# KiCad board rabbit_mask_capacitors_right.kicad_pcb (continued)
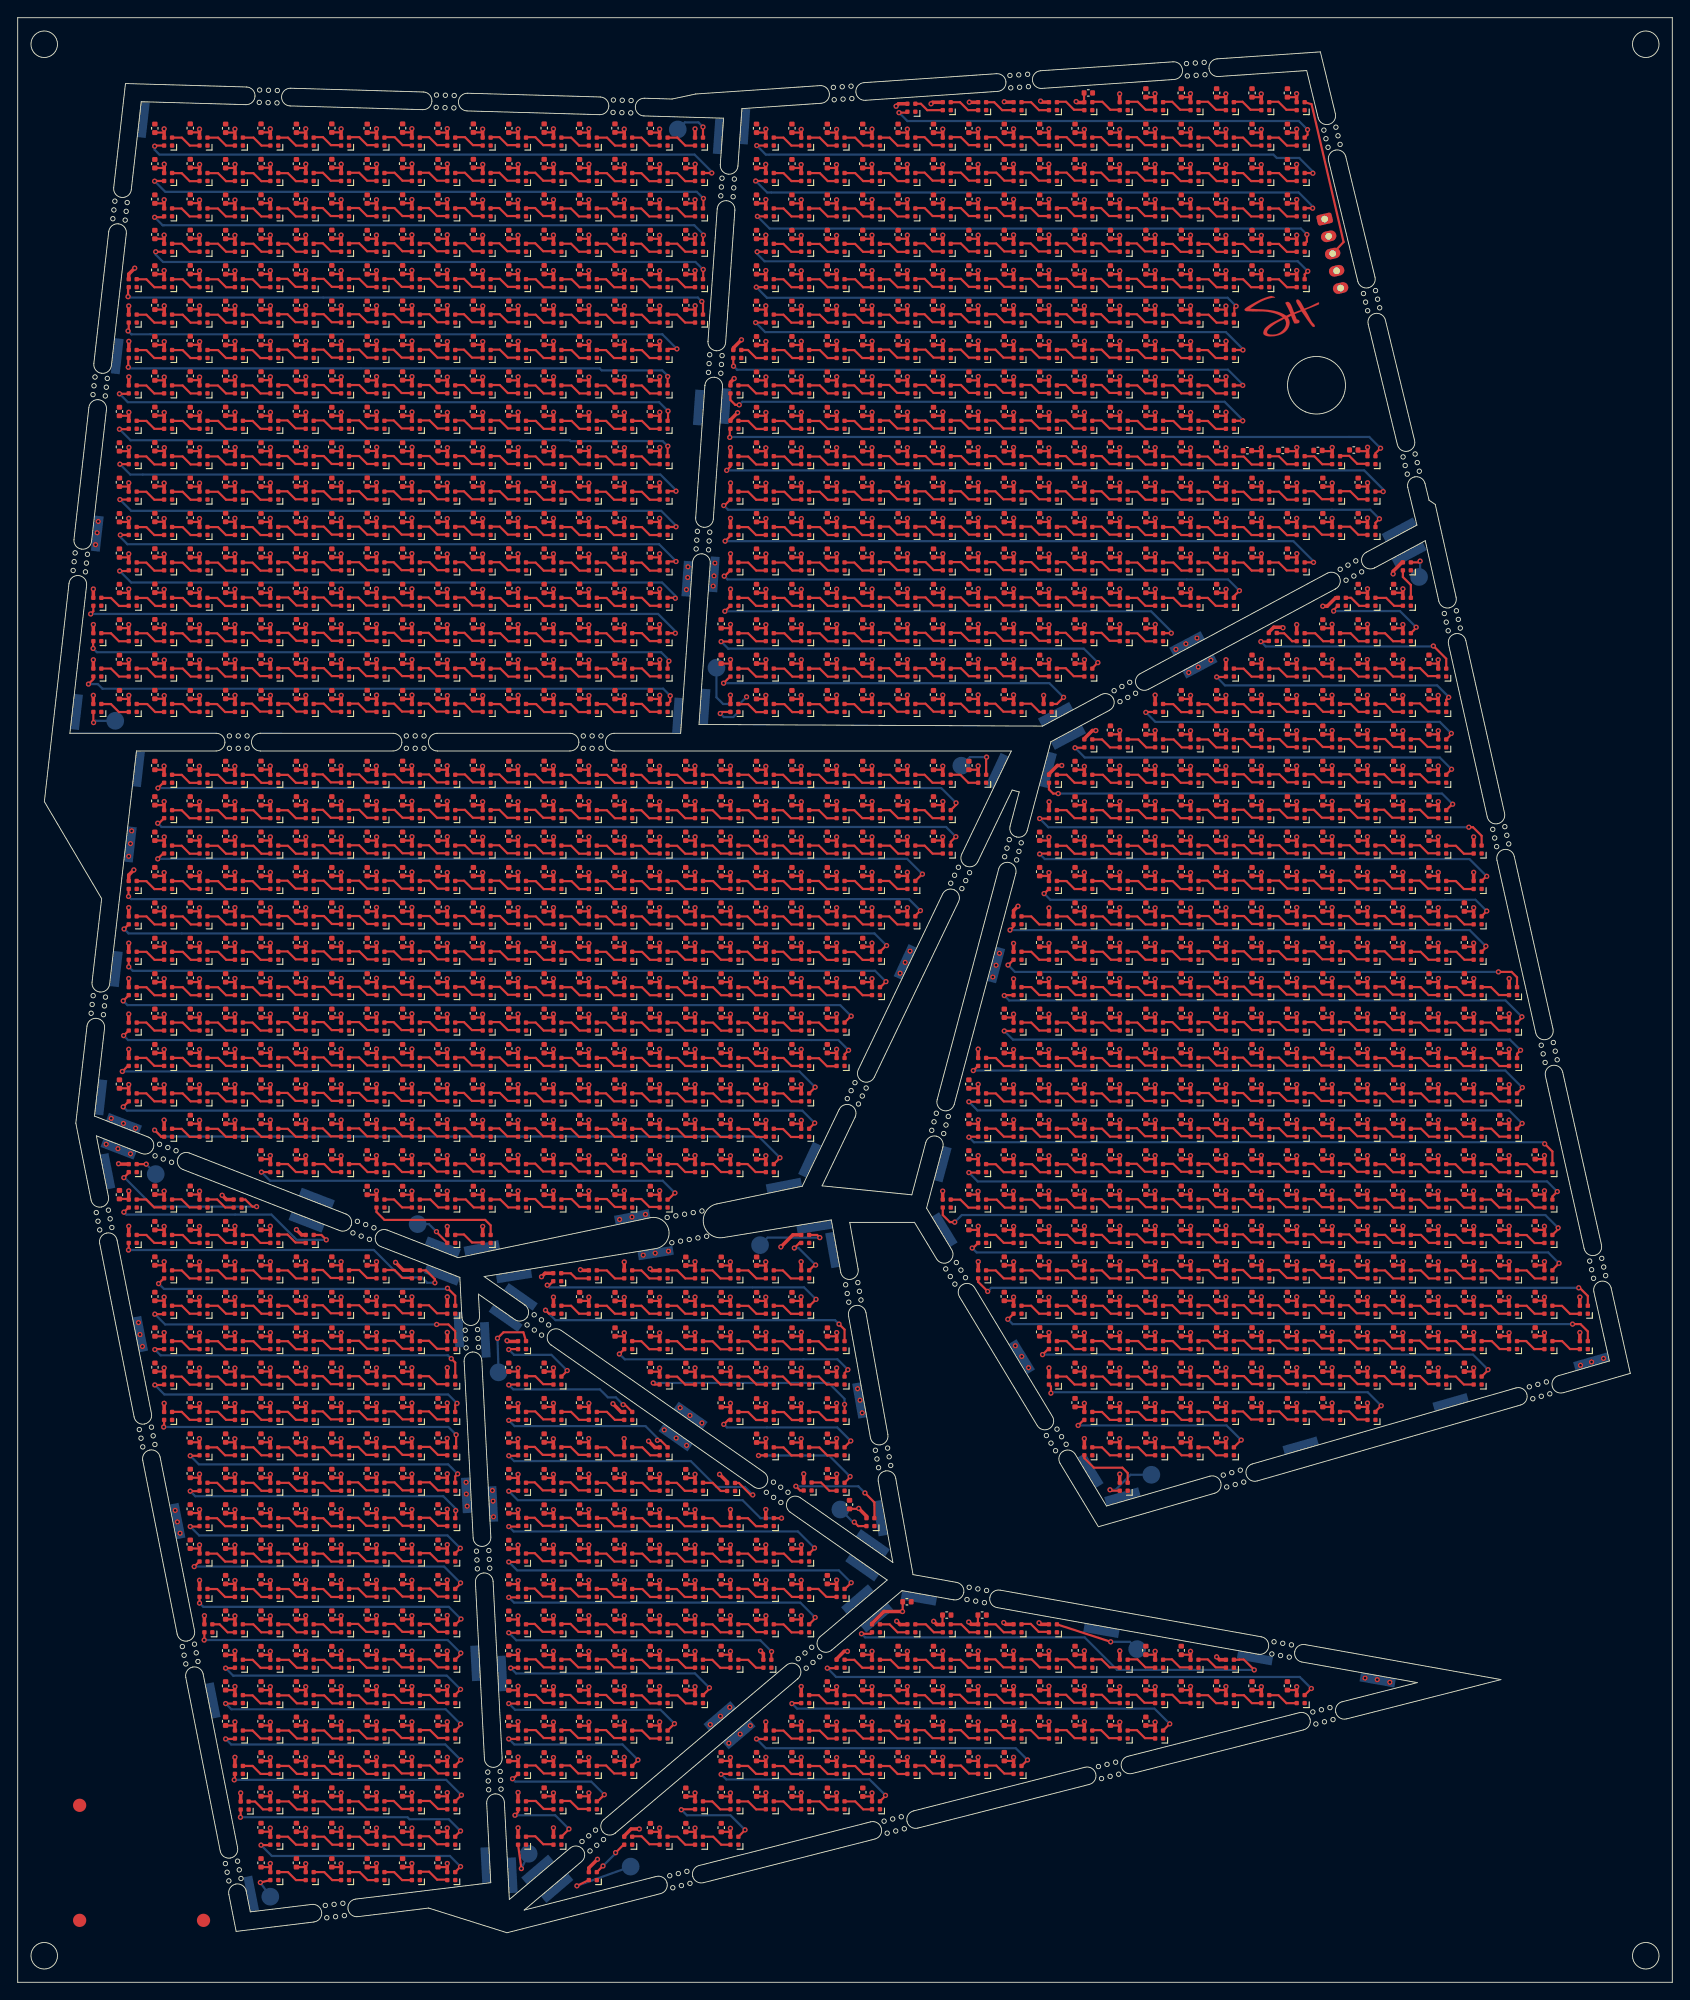
[diagram p0: board, top side]
## Routing (per net, layer and track width the routed paths; a pad name or vN(x,y) marks a point on that pad's centre or on a via; arc(x,y) is an arc through that point) (continued)
 C1485#1252.1 152.48,97.02 ; C1485#1307.1 16.48,125.02 ; C1485#428.1 72.48,177.02 ; C1485#793.1 28.48,157.02 ; C1485#266.1 76.48,189.02 ; C1485#162.1 72.48,53 ; C1485#198.1 68.48,157.02 ; C1485#277.1 44.48,65.02 ; C1485#989.1 124.48,201.02 ; C1485#1199.1 12.48,149.02 ; C1485#598.1 172.48,77.02 ; C1485#574.1 20.48,89.02 ; C1485#490.1 64.48,169.04 ; C1485#455.1 144.48,141.02 ; C1485#35.1 112.48,81.02 ; C1485#837.1 148.48,133.02 ; C1485#444.1 20.48,185.04 ; C1485#1323.1 20.48,49.02 ; C1485#888.1 140.48,69.02 ; C1485#638.1 104.48,153.02 ; C1485#85.1 56.48,129.02 ; C1485#465.1 148.48,149.02 ; C1485#829.1 88.48,205.02 ; C1485#72.1 128.48,213.02 ; C1485#1097.1 156.48,89.02 ; C1485#464.1 36.48,45.02 ; C1485#1100.1 80.48,25.02 ; C1485#426.1 100.48,173.02 ; C1485#550.1 48.48,37 ; C1485#291.1 48.48,105.02 ; C1485#1274.1 100.48,177.02 ; C1485#528.1 144.48,105.02 ; C1485#1298.1 148.48,165.02 ; C1485#1062.1 20.48,65.02 ; C1485#117.1 40.49,73 ; C1485#231.1 116.48,193.02 ; C1485#561.1 20.48,209.04 ; C1485#665.1 68.48,161.02 ; C1485#776.1 44.48,193.04 ; C1485#676.1 60.48,21.02 ; C1485#440.1 120.48,105.02 ; C1485#1226.1 64.48,61.02 ; C1485#586.1 44.48,61.02 ; C1485#1144.1 64.48,137.02 ; C1485#877.1 68.48,113.02 ; C1485#1293.1 28.48,165.02 ; C1485#783.1 48.48,161.04 ; C1485#241.1 68.48,193.04 ; C1485#1306.1 36.48,81.02 ; C1485#243.1 152.48,165.02 ; C1485#474.1 80.48,121.02 ; C1485#1020.1 44.49,69.02 ; C1485#566.1 152.48,85.02 ; C1485#1074.1 132.48,77.02 ; C1485#663.1 116.48,209.02 ; C1485#224.1 20.48,85.02 ; C1485#1098.1 108.48,33.02 ; C1485#415.1 152.48,105.02 ; C1485#1365.1 64.48,125.02 ; C1485#692.1 164.48,101.02 ; C1485#1367.1 84.48,105.02 ; C1485#977.1 156.48,73.02 ; C1485#1219.1 24.48,37 ; C1485#147.1 72.48,185.02 ; C1485#39.1 40.48,65.02 ; C1485#261.1 76.48,45 ; C1485#1345.1 48.48,133.02 ; C1485#701.1 136.48,77.02 ; C1485#10.1 96.48,29.02 ; C1485#611.1 20.48,113.02 ; C1485#707.1 84.48,145.02 ; C1485#571.1 104.48,137.02 ; C1485#383.1 64.48,161.04 ; C1485#367.1 44.48,53.02 ; C1485#312.1 120.48,129.02 ; C1485#640.1 96.48,137.02 ; C1485#282.1 80.49,69 ; C1485#1048.1 92.48,113.02 ; C1485#142.1 48.48,33.02 ; C1485#808.1 120.48,81.02 ; C1485#84.1 40.48,101.02 ; C1485#504.1 72.48,189.02 ; C1485#1148.1 112.48,153.02 ; C1485#777.1 16.48,209.02 ; C1485#110.1 116.48,129.02 ; C1485#181.1 32.48,153.04 ; C1485#335.1 44.48,161.02 ; C1485#49.1 136.48,97.02 ; C1485#299.1 16.48,89.02 ; C1485#749.1 68.48,181.04 ; C1485#540.1 72.48,165.02 ; C1485#269.1 24.48,181.02 ; C1485#1174.1 84.48,125.02 ; C1485#258.1 96.48,133.02 ; C1485#156.1 136.48,189.02 ; C1485#16.1 152.48,153.02 ; C1485#1073.1 80.48,45 ; C1485#885.1 144.48,97.02 ; C1485#1037.1 80.49,17 ; C1485#647.1 72.48,89 ; C1485#1089.1 120.48,117.02 ; C1485#1357.1 52.48,109.02 ; C1485#70.1 76.48,137.02 ; C1485#757.1 16.48,201.02 ; C1485#1260.1 64.48,117.02 ; C1485#875.1 72.49,17 ; C1485#1222.1 148.48,65.02 ; C1485#537.1 100.48,145.02 ; C1485#760.1 80.48,137.02 ; C1485#511.1 20.48,109.02 ; C1485#445.1 72.48,169.02 ; C1485#47.1 112.48,145.02 ; C1485#457.1 56.48,197.02 ; C1485#1010.1 120.48,101.02 ; C1485#575.1 140.48,81.02 ; C1485#503.1 104.48,189.02 ; C1485#1058.1 20.48,77.02 ; C1485#934.1 156.48,133.02 ; C1485#200.1 116.48,201.02 ; C1485#870.1 40.48,201.02 ; C1485#247.1 52.48,101.02 ; C1485#1147.1 148.48,129.02 ; C1485#606.1 36.48,121.02 ; C1485#576.1 108.48,185.02 ; C1485#978.1 88.48,121.02 ; C1485#1003.1 72.48,145.02 ; C1485#876.1 20.48,197.04 ; C1485#432.1 40.48,13.02 ; C1485#13.1 40.48,197.02 ; C1485#227.1 28.48,177.02 ; C1485#728.1 112.48,77.02 ; C1485#1080.1 16.48,129.02 ; C1485#1070.1 60.48,125.02 ; C1485#131.1 36.48,165.02 ; C1485#1087.1 120.48,205.02 ; C1485#651.1 36.48,125.02 ; C1485#1206.1 144.48,205.02 ; C1485#225.1 68.48,209.04 ; C1485#404.1 16.48,105.02 ; C1485#159.1 24.48,117.02 ; C1485#724.1 92.48,121.02 ; C1485#322.1 28.48,209.04 ; C1485#345.1 88.48,49 ; C1485#1084.1 84.48,137.02 ; C1485#176.1 92.48,157.02 ; C1485#238.1 96.48,153.02 ; C1485#220.1 56.48,149.04 ; C1485#1262.1 24.49,73 ; C1485#786.1 60.48,181.04 ; C1485#1324.1 64.48,149.04 ; C1485#920.1 24.48,121.02 ; C1485#259.1 168.48,105.02 ; C1485#695.1 28.48,153.02 ; C1485#171.1 64.48,185.02 ; C1485#1328.1 48.48,57.02 ; C1485#1136.1 44.48,33.02 ; C1485#1191.1 64.48,193.02 ; C1485#73.1 20.48,181.04 ; C1485#436.1 32.48,17.02 ; C1485#301.1 148.48,77.02 ; C1485#120.1 52.48,185.04 ; C1485#3.1 44.48,25 ; C1485#393.1 160.48,125.02 ; C1485#761.1 64.48,105.02 ; C1485#1108.1 140.48,145.02 ; C1485#992.1 84.48,45 ; C1485#23.1 60.48,205.04 ; C1485#1364.1 36.48,129.02 ; C1485#1068.1 104.48,161.02 ; C1485#529.1 88.48,185.02 ; C1485#256.1 80.48,113.02 ; C1485#1056.1 60.48,117.02 ; C1485#254.1 148.48,85.02 ; C1485#911.1 120.48,209.02 ; C1485#1376.1 48.48,209.02 ; C1485#1310.1 56.48,169.04 ; C1485#664.1 100.48,189.02 ; C1485#59.1 132.48,61.02 ; C1485#752.1 136.48,201.02 ; C1485#463.1 152.48,149.02 ; C1485#1318.1 116.48,81.02 ; C1485#936.1 40.48,93.02 ; C1485#314.1 68.48,129.02 ; C1485#287.1 32.48,161.04 ; C1485#597.1 156.48,85.02 ; C1485#430.1 72.48,129.02 ; C1485#1054.1 44.48,145.02 ; C1485#524.1 100.48,137.02 ; C1485#882.1 144.48,209.02 ; C1485#482.1 12.48,165.02 ; C1485#800.1 64.48,173.04 ; C1485#18.1 160.48,121.02 ; C1485#62.1 80.48,117.02 ; C1485#683.1 52.48,161.02 ; C1485#673.1 128.48,97.02 ; C1485#446.1 28.48,205.04 ; C1485#208.1 68.48,117.02 ; C1485#1146.1 132.48,81.02 ; C1485#520.1 108.48,165.02 ; C1485#118.1 36.48,13.02 ; C1485#356.1 152.48,89.02 ; C1485#630.1 96.48,161.02 ; C1485#38.1 136.48,205.02 ; C1485#1200.1 52.48,197.04 ; C1485#916.1 88.48,161.02 ; C1485#648.1 68.48,185.04 ; C1485#1247.1 16.48,133.02 ; C1485#160.1 88.49,21 ; C1485#1217.1 56.48,29 ; C1485#730.1 144.48,213.02 ; C1485#466.1 84.48,133.02 ; C1485#441.1 140.48,65.02 ; C1485#1093.1 36.48,109.02 ; C1485#239.1 148.48,145.02 ; C1485#42.1 108.48,137.02 ; C1485#742.1 28.48,105.02 ; C1485#1362.1 148.48,101.02 ; C1485#961.1 24.48,65.02 ; C1485#283.1 132.48,129.02 ; C1485#751.1 104.48,197.02 ; C1485#362.1 32.48,133.02 ; C1485#1330.1 148.48,153.02 ; C1485#951.1 116.48,177.02 ; C1485#468.1 64.48,89 ; C1485#303.1 20.48,177.02 ; C1485#196.1 136.48,89.02 ; C1485#304.1 88.49,77 ; C1485#998.1 160.48,69.02 ; C1485#691.1 120.48,161.02 ; C1485#613.1 72.48,173.02 ; C1485#408.1 144.48,81.02 ; C1485#1165.1 104.48,185.02 ; C1485#228.1 72.48,57 ; C1485#212.1 160.48,81.02 ; C1485#1343.1 148.48,73.02 ; C1485#1211.1 140.48,77.02 ; C1485#904.1 128.48,165.02 ; C1485#654.1 84.48,181.02 ; C1485#509.1 84.49,61 ; C1485#623.1 44.48,137.04 ; C1485#833.1 140.48,121.02 ; C1485#1315.1 28.48,113.02 ; C1485#892.1 28.48,41.02 ; C1485#1190.1 76.48,121.02 ; C1485#1170.1 156.48,153.02 ; C1485#743.1 24.48,41.02 ; C1485#1025.1 84.49,65 ; C1485#443.1 84.48,173.02 ; C1485#344.1 164.48,113.02 ; C1485#734.1 32.48,105.02 ; C1485#706.1 56.48,101.02 ; C1485#900.1 132.48,169.02 ; C1485#1072.1 92.48,193.02 ; C1485#697.1 140.48,93.02 ; C1485#182.1 24.48,109.02 ; C1485#1150.1 60.48,137.04 ; C1485#103.1 28.48,77.02 ; C1485#762.1 96.48,149.02 ; C1485#1063.1 100.48,133.02 ; C1485#106.1 124.48,197.02 ; C1485#1378.1 104.48,29.02 ; C1485#127.1 164.48,77.02 ; C1485#981.1 124.48,93.02 ; C1485#1050.1 68.48,165.02 ; C1485#1335.1 32.48,93.02 ; C1485#1154.1 36.48,17.02 ; C1485#583.1 60.48,169.02 ; C1485#871.1 32.48,25 ; C1485#672.1 76.49,69 ; C1485#861.1 108.48,37.02 ; C1485#1034.1 92.48,169.02 ; C1485#1071.1 84.49,97.02 ; C1485#1128.1 44.48,197.04 ; C1485#801.1 16.48,101.02 ; C1485#389.1 156.48,125.02 ; C1485#675.1 152.48,73.02 ; C1485#903.1 84.49,77 ; C1485#942.1 84.48,41 ; C1485#453.1 16.48,169.04 ; C1485#1269.1 60.48,65.02 ; C1485#327.1 36.48,157.02 ; C1485#293.1 64.48,101.02 ; C1485#926.1 56.48,209.02 ; C1485#346.1 16.49,69.02 ; C1485#270.1 40.48,117.02 ; C1485#1300.1 100.48,209.02 ; C1485#1009.1 92.48,105.02 ; C1485#677.1 40.48,77.02 ; C1485#17.1 136.48,129.02 ; C1485#844.1 40.48,185.02 ; C1485#365.1 132.48,113.02 ; C1485#1088.1 36.49,69.02 ; C1485#700.1 24.49,69.02 ; C1485#1184.1 64.48,53 ; C1485#439.1 128.48,193.02 ; C1485#661.1 48.48,13.02 ; C1485#434.1 72.48,121.02 ; C1485#1283.1 80.48,41 ; C1485#662.1 72.48,41 ; C1485#253.1 44.48,105.02 ; C1485#1052.1 152.48,157.02 ; C1485#948.1 88.49,73 ; C1485#778.1 84.49,21 ; C1485#1075.1 24.48,105.02 ; C1485#1202.1 60.48,161.02 ; C1485#518.1 132.48,93.02 ; C1485#1116.1 116.48,37.02 ; C1485#1290.1 68.48,197.04 ; C1485#381.1 148.48,93.02 ; C1485#770.1 132.48,141.02 ; C1485#1064.1 124.48,117.02 ; C1485#1031.1 40.48,209.02 ; C1485#342.1 160.48,141.02 ; C1485#747.1 16.48,149.04 ; C1485#1273.1 80.48,49 ; C1485#308.1 136.48,185.02 ; C1485#619.1 72.48,161.02 ; C1485#130.1 156.48,101.02 ; C1485#321.1 56.48,65.02 ; C1485#132.1 52.48,169.02 ; C1485#1205.1 16.48,145.04 ; C1485#1333.1 124.48,169.02 ; C1485#189.1 64.48,201.02 ; C1485#105.1 60.48,133.02 ; C1485#727.1 68.48,177.02 ; C1485#589.1 60.48,173.02 ; C1485#722.1 128.48,101.02 ; C1485#53.1 76.48,33 ; C1485#251.1 28.48,201.04 ; C1485#420.1 168.48,101.02 ; C1485#1094.1 68.48,133.02 ; C1485#275.1 128.48,153.02 ; C1485#840.1 36.48,153.02 ; C1485#621.1 112.48,181.02 ; C1485#1342.1 52.48,93.02 ; C1485#330.1 112.48,101.02 ; C1485#1231.1 28.48,181.04 ; C1485#1337.1 92.49,73 ; C1485#257.1 144.48,121.02 ; C1485#1142.1 68.48,205.04 ; C1485#1373.1 124.48,153.02 ; C1485#109.1 48.48,177.04 ; C1485#222.1 68.48,153.02 ; C1485#910.1 28.49,97.02 ; C1485#223.1 92.48,109.02 ; C1485#412.1 76.48,41 ; C1485#213.1 32.48,101.02 ; C1485#515.1 72.48,193.02 ; C1485#114.1 40.48,105.02 ; C1485#601.1 168.48,93.02 ; C1485#1115.1 56.48,61.02 ; C1485#917.1 20.48,145.02 ; C1485#1340.1 44.48,77.02 ; C1485#148.1 92.48,45.02 ; C1485#1016.1 16.48,153.04 ; C1485#285.1 112.48,85.02 ; C1485#1292.1 84.48,177.02 ; C1485#1321.1 20.48,129.02 ; C1485#895.1 72.49,69 ; C1485#1277.1 48.48,101.02 ; C1485#1138.1 60.48,185.04 ; C1485#276.1 92.49,21 ; C1485#33.1 40.48,169.04 ; C1485#564.1 44.48,201.04 ; C1485#260.1 144.48,149.02 ; C1485#1369.1 100.48,205.02 ; C1485#1225.1 128.48,169.02 ; C1485#1359.1 60.48,49 ; C1485#437.1 12.48,157.02 ; C1485#1120.1 156.48,129.02 ; C1485#744.1 32.48,61.02 ; C1485#347.1 172.48,89.02 ; C1485#703.1 72.49,73 ; C1485#612.1 32.48,21.02 ; C1485#1215.1 60.48,109.02 ; C1485#865.1 128.48,33.02 ; C1485#748.1 44.49,97.02 ; C1485#458.1 156.48,141.02 ; C1485#1279.1 156.48,137.02 ; C1485#889.1 92.48,177.02 ; C1485#126.1 44.48,13.02 ; C1485#1261.1 76.48,113.02 ; C1485#890.1 20.48,149.02 ; C1485#584.1 44.48,153.02 ; C1485#1286.1 88.48,25.02 ; C1485#11.1 124.48,69.02 ; C1485#331.1 56.48,173.04 ; C1485#1171.1 56.48,117.02 ; C1485#422.1 152.48,117.02 ; C1485#1166.1 152.48,113.02 ; C1485#668.1 112.48,105.02 ; C1485#682.1 32.48,33.02 ; C1485#944.1 36.48,145.02 ; C1485#402.1 44.48,205.04 ; C1485#1267.1 44.48,209.04 ; C1485#759.1 120.48,197.02 ; C1485#928.1 56.48,113.02 ; C1485#1284.1 100.48,33.02 ; C1485#1355.1 32.49,97.02 ; C1485#803.1 136.48,157.02 ; C1485#1255.1 36.48,161.02 ; C1485#886.1 20.48,53.02 ; C1485#119.1 64.48,145.04 ; C1485#1176.1 84.48,129.02 ; C1485#554.1 88.48,45 ; C1485#318.1 72.48,101.02 ; C1485#952.1 116.48,173.02 ; C1485#628.1 60.48,145.02 ; C1485#1095.1 124.48,177.02 ; C1485#1033.1 140.48,101.02 ; C1485#1198.1 104.48,33.02 ; C1485#71.1 108.48,201.02 ; C1485#607.1 124.48,125.02 ; C1485#479.1 96.48,205.02 ; C1485#113.1 48.48,181.02 ; C1485#1297.1 32.48,121.02 ; C1485#145.1 116.48,29.02 ; C1485#245.1 124.48,205.02 ; C1485#997.1 44.48,177.02 ; C1485#242.1 128.48,137.02 ; C1485#560.1 64.48,113.02 ; C1485#175.1 112.48,161.02 ; C1485#1051.1 20.48,57.02 ; C1485#898.1 48.48,17.02 ; C1485#48.1 32.48,205.02 ; C1485#979.1 68.48,25.02 ; C1485#1002.1 120.48,29.02 ; C1485#96.1 56.48,205.02 ; C1485#787.1 36.48,53.02 ; C1485#394.1 76.48,201.02 ; C1485#626.1 64.48,209.02 ; C1485#521.1 40.48,193.02 ; C1485#1172.1 44.48,57.02 ; C1485#1189.1 112.48,109.02 ; C1485#815.1 72.48,125.02 ; C1485#848.1 88.48,145.02 ; C1485#1216.1 128.48,29.02 ; C1485#481.1 132.48,205.02 ; C1485#828.1 84.48,121.02 ; C1485#284.1 56.48,37 ; C1485#954.1 68.48,149.02 ; C1485#21.1 32.48,177.04 ; C1485#866.1 116.48,77.02 ; C1485#823.1 48.48,173.04 ; C1485#174.1 96.48,25.02 ; C1485#689.1 120.48,157.02 ; C1485#505.1 128.48,157.02 ; C1485#894.1 56.48,93.02 ; C1485#124.1 128.48,173.02 ; C1485#451.1 40.48,25 ; C1485#754.1 40.48,29.02 ; C1485#297.1 88.48,165.02 ; C1485#789.1 64.48,29 ; C1485#190.1 84.48,49 ; C1485#822.1 128.48,121.02 ; C1485#756.1 24.48,81.02 ; C1485#65.1 108.48,101.02 ; C1485#694.1 36.48,21.02 ; C1485#317.1 40.49,69.02 ; C1485#784.1 40.48,21.02 ; C1485#45.1 32.48,117.02 ; C1485#379.1 112.48,25.02 ; C1485#1242.1 72.48,205.02 ; C1485#816.1 92.48,189.02 ; C1485#108.1 76.49,81 ; C1485#202.1 148.48,105.02 ; C1485#173.1 132.48,33.02 ; C1485#984.1 52.48,177.02 ; C1485#1326.1 28.48,33.02 ; C1485#210.1 44.48,29.02 ; C1485#517.1 40.48,81.02 ; C1485#281.1 104.48,37.02 ; C1485#526.1 16.48,197.02 ; C1485#538.1 124.48,77.02 ; C1485#1361.1 100.48,29.02 ; C1485#919.1 24.48,205.02 ; C1485#798.1 160.48,113.02 ; C1485#431.1 132.48,73.02 ; C1485#1275.1 128.48,161.02 ; C1485#704.1 132.48,89.02 ; C1485#602.1 24.48,185.02 ; C1485#982.1 108.48,93.02 ; C1485#221.1 148.48,69.02 ; C1485#842.1 92.48,165.02 ; C1485#1124.1 40.48,153.04 ; C1485#1235.1 168.48,89.02 ; C1485#1102.1 112.48,97.02 ; C1485#248.1 20.48,205.04 ; C1485#947.1 92.48,201.02 ; C1485#930.1 20.48,121.02 ; C1485#348.1 72.48,149.02 ; C1485#168.1 56.48,105.02 ; C1485#264.1 24.48,173.04 ; C1485#1121.1 152.48,81.02 ; C1485#1105.1 132.48,69.02 ; C1485#553.1 24.48,57.02 ; C1485#1151.1 132.48,157.02 ; C1485#763.1 44.48,185.04 ; C1485#329.1 40.48,37 ; C1485#627.1 44.48,129.02 ; C1485#1266.1 16.48,109.02 ; C1485#309.1 76.48,109.02 ; C1485#735.1 56.48,57 ; C1485#796.1 140.48,205.02 ; C1485#718.1 128.48,133.02 ; C1485#610.1 96.48,113.02 ; C1485#1236.1 156.48,157.02 ; C1485#151.1 112.48,157.02 ; C1485#1008.1 56.49,97.02 ; C1485#1107.1 48.48,197.02 ; C1485#384.1 48.48,153.04 ; C1485#1302.1 56.48,161.04 ; C1485#232.1 100.48,37.02 ; C1485#27.1 60.48,57 ; C1485#1028.1 20.48,165.02 ; C1485#476.1 124.48,189.02 ; C1485#544.1 60.48,197.04 ; C1485#226.1 24.48,193.02 ; C1485#61.1 60.48,177.02 ; C1485#319.1 160.48,117.02 ; C1485#1182.1 20.49,69.02 ; C1485#154.1 124.48,73.02 ; C1485#788.1 80.49,77 ; C1485#498.1 144.48,109.02 ; C1485#887.1 132.48,101.02 ; C1485#1246.1 40.48,89 ; C1485#385.1 108.48,189.02 ; C1485#374.1 40.48,17.02 ; C1485#555.1 72.48,181.02 ; C1485#830.1 56.48,181.02 ; C1485#513.1 152.48,93.02 ; C1485#790.1 72.48,113.02 ; C1485#905.1 44.48,157.02 ; C1485#1344.1 120.48,169.02 ; C1485#483.1 136.48,81.02 ; C1485#1129.1 68.48,173.02 ; C1485#373.1 64.48,109.02 ; C1485#493.1 36.48,177.02 ; C1485#514.1 96.48,165.02 ; C1485#152.1 12.48,177.02 ; C1485#150.1 124.48,185.02 ; C1485#562.1 76.48,57 ; C1485#406.1 120.48,165.02 ; C1485#405.1 84.48,205.02 ; C1485#719.1 24.48,125.02 ; C1485#1245.1 36.48,105.02 ; C1485#949.1 88.48,169.02 ; C1485#1112.1 124.48,129.02 ; C1485#711.1 68.48,49 ; C1485#774.1 96.48,117.02 ; C1485#333.1 108.48,145.02 ; C1485#1287.1 64.48,205.02 ; C1485#313.1 136.48,101.02 ; C1485#995.1 136.48,61.02 ; C1485#294.1 136.48,73.02 ; C1485#292.1 156.48,93.02 ; C1485#30.1 96.48,169.02 ; C1485#1109.1 160.48,129.02 ; C1485#90.1 104.48,165.02 ; C1485#781.1 40.48,129.02 ; C1485#219.1 88.48,125.02 ; C1485#851.1 56.48,49 ; C1485#170.1 56.48,41 ; C1485#973.1 24.48,137.02 ; C1485#421.1 52.48,125.02 ; C1485#1353.1 64.48,65.02 ; C1485#387.1 116.48,165.02 ; C1485#172.1 164.48,81.02 ; C1485#820.1 92.48,137.02 ; C1485#510.1 20.48,201.04 ; C1485#1104.1 64.48,181.02 ; C1485#595.1 20.48,157.02 ; C1485#371.1 60.48,93.02 ; C1485#846.1 144.48,117.02 ; C1485#963.1 52.48,133.02 ; C1485#581.1 112.48,33.02 ; C1485#392.1 36.48,173.02 ; C1485#745.1 100.48,165.02 ; C1485#377.1 84.48,153.02 ; C1485#578.1 32.49,69.02 ; C1485#158.1 28.48,17.02 ; C1485#641.1 20.48,101.02 ; C1485#644.1 40.48,161.04 ; C1485#785.1 148.48,117.02 ; C1485#1046.1 108.48,97.02 ; C1485#218.1 112.48,29.02 ; C1485#1230.1 16.48,165.04 ; C1485#986.1 28.48,169.02 ; C1485#1271.1 28.48,117.02 ; C1485#1276.1 40.48,45.02 ; C1485#478.1 128.48,65.02 ; C1485#1201.1 20.48,173.02 ; C1485#1352.1 120.48,193.02 ; C1485#361.1 84.49,81 ; C1485#959.1 28.48,197.04 ; C1485#1224.1 100.48,161.02 ; C1485#568.1 168.48,97.02 ; C1485#128.1 52.48,113.02 ; C1485#469.1 108.48,157.02 ; C1485#1036.1 36.48,117.02 ; C1485#87.1 44.48,89 ; C1485#686.1 116.48,85.02 ; C1485#983.1 160.48,149.02 ; C1485#324.1 168.48,73.02 ; C1485#1336.1 24.48,157.04 ; C1485#43.1 128.48,117.02 ; C1485#491.1 156.48,121.02 ; C1485#411.1 44.48,101.02 ; C1485#987.1 40.48,109.02 ; C1485#497.1 12.48,161.02 ; C1485#4.1 44.48,117.02 ; C1485#1040.1 84.48,93.02 ; C1485#622.1 28.48,161.02 ; C1485#485.1 44.48,181.04 ; C1485#880.1 68.48,33 ; C1485#850.1 136.48,181.02 ; C1485#1233.1 12.48,153.02 ; C1485#929.1 156.48,105.02 ; C1485#500.1 28.48,53.02 ; C1485#122.1 132.48,109.02 ; C1485#140.1 76.48,105.02 ; C1485#685.1 64.48,121.02 ; C1485#684.1 60.48,121.02 ; C1485#1083.1 44.48,17.02 ; C1485#1366.1 88.48,109.02 ; C1485#1123.1 60.48,37 ; C1485#67.1 20.48,117.02 ; C1485#736.1 48.48,121.02 ; C1485#1186.1 144.48,193.02 ; C1485#1220.1 124.48,193.02 ; C1485#1316.1 64.48,41 ; C1485#1234.1 20.48,61.02 ; C1485#1092.1 40.48,125.02 ; C1485#272.1 96.48,33.02 ; C1485#1291.1 76.49,77 ; C1485#688.1 128.48,181.02 ; C1485#657.1 48.48,49.02 ; C1485#635.1 16.48,117.02